# Altium PCB PCB3.PcbDoc (part 3 of 5)
Units mil, origin at the board's own origin, x right, y up, seen from the top; angles counter-clockwise.
Board outline 9836.17 x 5490 mil, 4 copper layers (Top Layer, Int1 (GND), Int2 (PWR), Bottom Layer), stack 53.912 mil thick; 236 components, 108 nets, 2793 pads, 569 vias.
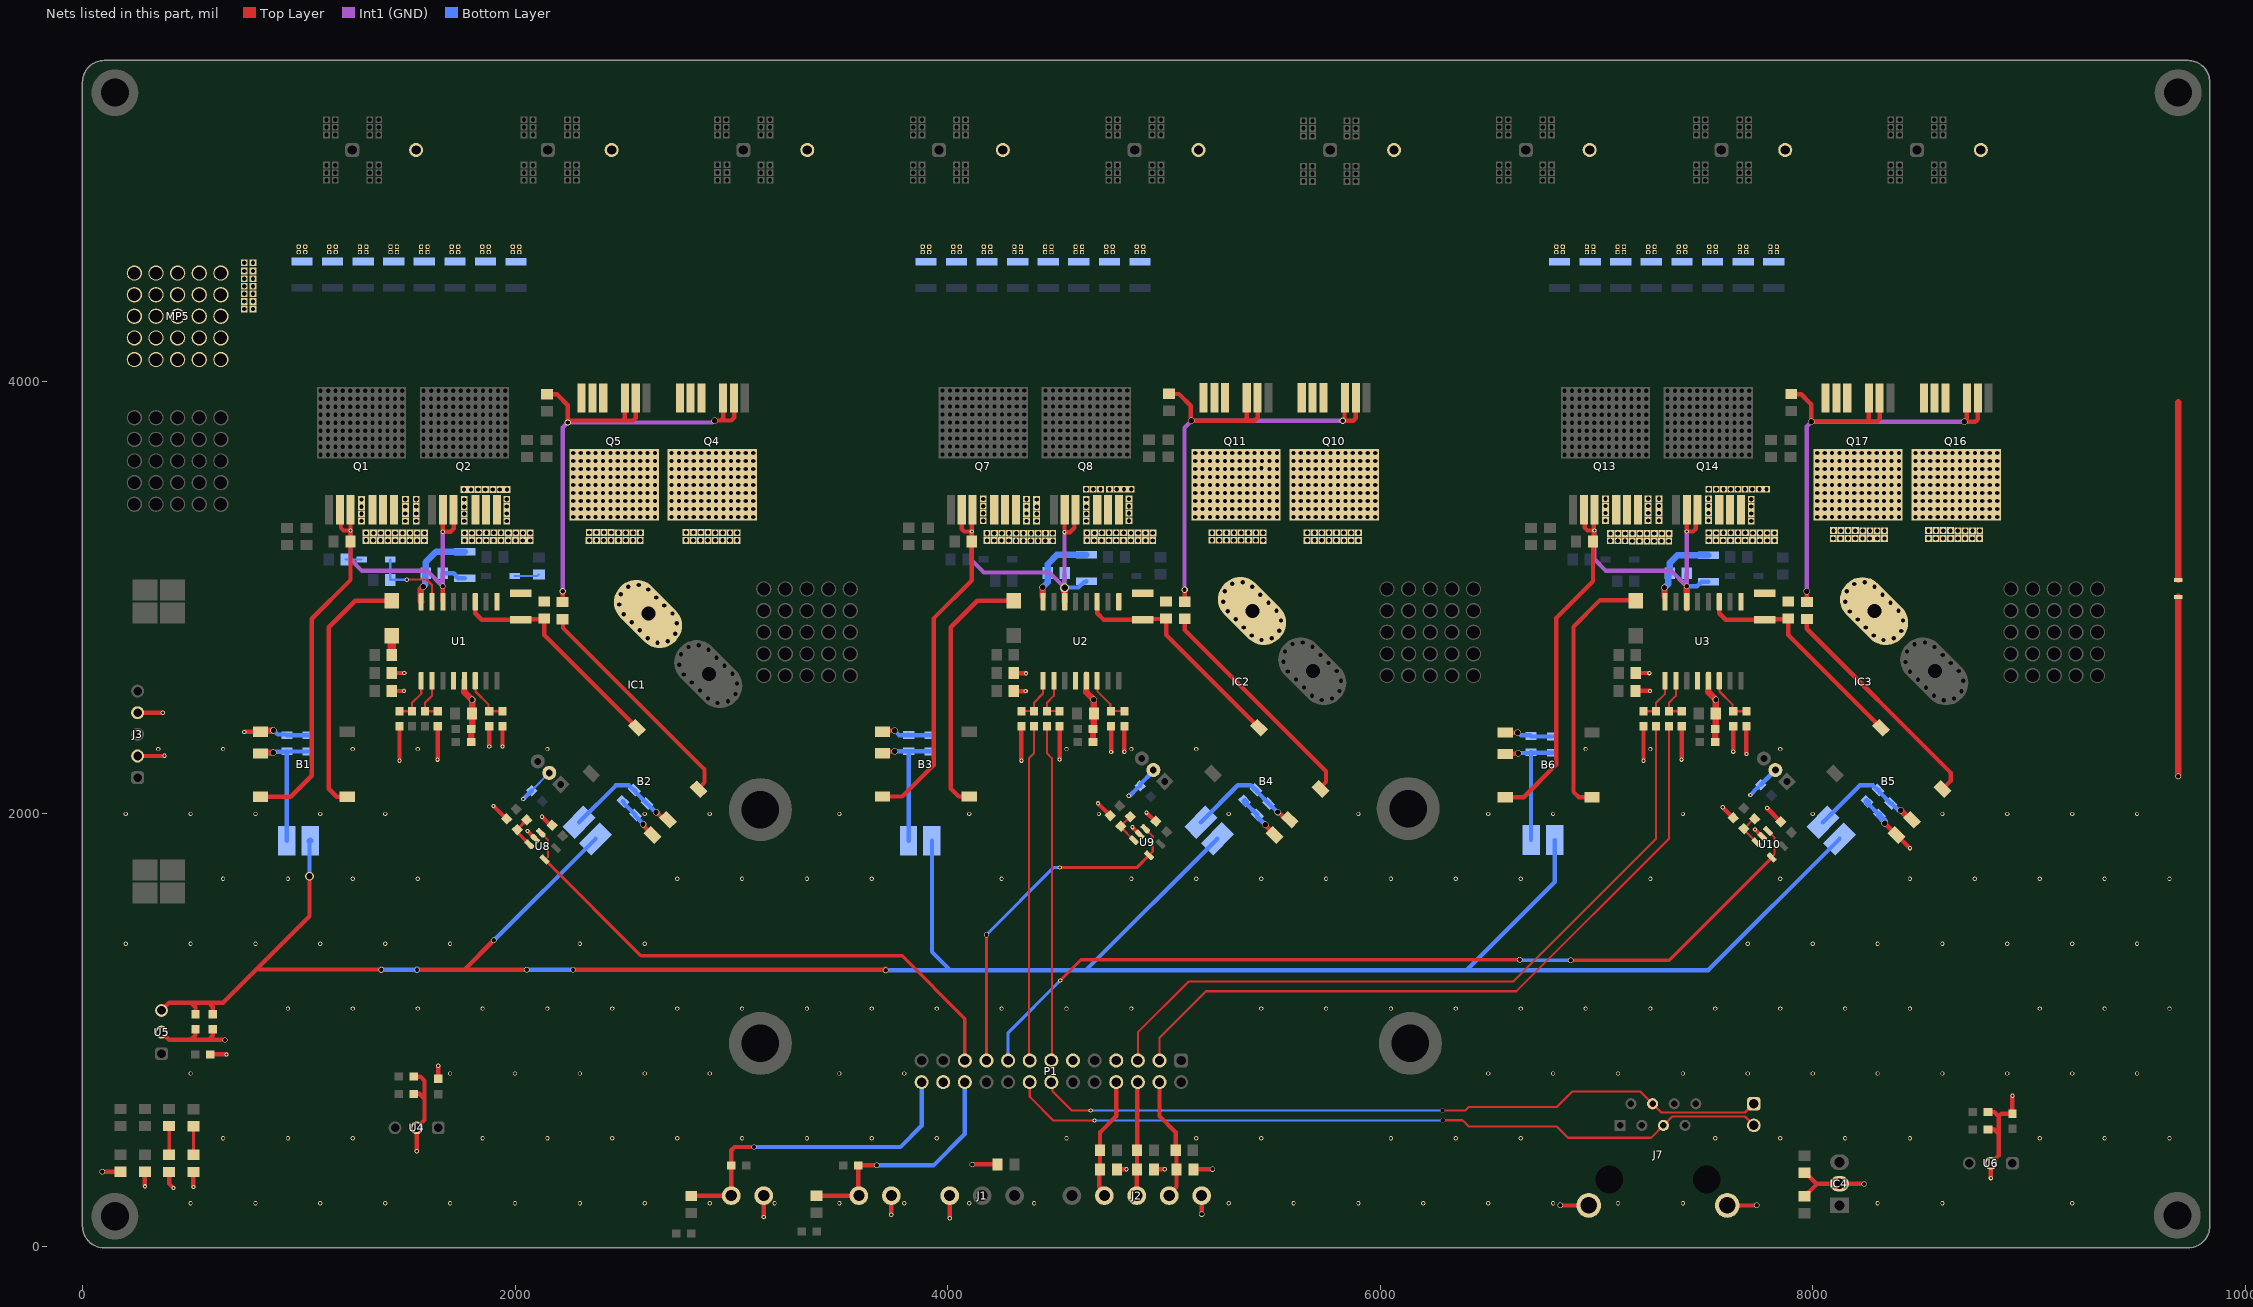
[diagram p5: the nets of this part, all layers, seen from the top]

## Via types
v1: diameter 20, hole 15, Top Layer to Bottom Layer, tented both sides, 212 vias
v2: diameter 19.68, hole 11.81, Top Layer to Bottom Layer, tented both sides, 183 vias
v3: diameter 19.68, hole 10, Top Layer to Bottom Layer, tented both sides, 59 vias
v4: diameter 25, hole 20, Top Layer to Bottom Layer, tented both sides, 48 vias
v5: diameter 23.62, hole 15.75, Top Layer to Bottom Layer, tented both sides, 32 vias
v6: diameter 30, hole 25, Top Layer to Bottom Layer, tented both sides, 24 vias
v7: diameter 30, hole 20, Top Layer to Bottom Layer, tented both sides, 4 vias
v8: diameter 15, hole 10, Top Layer to Bottom Layer, tented both sides, 3 vias
v9: diameter 19.68, hole 19.68, Top Layer to Bottom Layer, tented both sides, 2 vias
v10: diameter 40, hole 28, Top Layer to Bottom Layer, tented both sides, 1 vias
v11: diameter 40, hole 30, Top Layer to Bottom Layer, tented both sides, 1 vias

## Nets (pads, with @x,y where several pads share a name; then routed paths per layer and width w, separated by ;. In a path a pad name is that pad's centre, name@x,y a point inside that pad or via, vN(x,y) a via of type N, cw(c..) or ccw(c..) an arc to the next point about the centre after c; other vN are vias at no path point) (continued)
A_VSS_H: IC1.5 pad.3@1290,3354 pad.3@1290,3388 pad.3@1290,3421 pad.3@1290,3454 pad.3@1310.66,3265 pad.3@1311.43,3299 pad.3@1344.45,3265 pad.3@1345.22,3299 pad.3@1378.24,3265 pad.3@1379,3299 pad.3@1412.03,3264 pad.3@1412.78,3299 pad.3@1445.82,3264 pad.3@1446.57,3299 pad.3@1479.61,3264 pad.3@1480.35,3299 pad.3@1493,3355 pad.3@1493,3389 pad.3@1493,3422 pad.3@1493,3455 pad.3@1513.4,3264 pad.3@1514.13,3299 pad.3@1543,3355 pad.3@1543,3389 pad.3@1543,3422 pad.3@1543,3455 pad.3@1547.18,3264 pad.3@1547.91,3299 pad.3@1580.97,3264 pad.3@1581.7,3299 pad.3@1764,3500 pad.3@1765,3354 pad.3@1765,3388 pad.3@1765,3421 pad.3@1765,3454 pad.3@1765.96,3264 pad.3@1766.65,3299 pad.3@1797,3500 pad.3@1799.75,3264 pad.3@1800.43,3299 pad.3@1830,3500 pad.3@1833.54,3264 pad.3@1834.22,3300 pad.3@1863,3500 pad.3@1867.33,3264 pad.3@1868,3300 pad.3@1897,3500 pad.3@1901.12,3264 pad.3@1901.78,3300 pad.3@1930,3500 pad.3@1934.91,3264 pad.3@1935.57,3300 pad.3@1962,3355 pad.3@1962,3389 pad.3@1962,3422 pad.3@1962,3455 pad.3@1963,3500 pad.3@1968.69,3264 pad.3@1969.35,3299 pad.3@2002.48,3264 pad.3@2003.13,3299 pad.3@2036.26,3264 pad.3@2036.91,3299 pad.3@2070.04,3264 pad.3@2070.7,3299 pad.3@2269.38,3372.99 pad.3@2269.38,3409.99 pad.3@2269.38,3446.99 pad.3@2269.38,3483.99 pad.3@2269.38,3520.99 pad.3@2269.38,3557.99 pad.3@2269.38,3594.99 pad.3@2269.38,3631.99 pad.3@2269.38,3668.99 pad.3@2303.75,3372.99 pad.3@2303.75,3409.99 pad.3@2303.75,3446.99 pad.3@2303.75,3483.99 pad.3@2303.75,3520.99 pad.3@2303.75,3557.99 pad.3@2303.75,3594.99 pad.3@2303.75,3631.99 pad.3@2303.75,3668.99 pad.3@2338.11,3372.99 pad.3@2338.11,3409.99 pad.3@2338.11,3446.99 pad.3@2338.11,3483.99 pad.3@2338.11,3520.99 pad.3@2338.11,3557.99 pad.3@2338.11,3594.99 pad.3@2338.11,3631.99 pad.3@2338.11,3668.99 pad.3@2342.84,3265 pad.3@2343.52,3301 pad.3@2372.47,3372.99 pad.3@2372.47,3409.99 pad.3@2372.47,3446.99 pad.3@2372.47,3483.99 pad.3@2372.47,3520.99 pad.3@2372.47,3557.99 pad.3@2372.47,3594.99 pad.3@2372.47,3631.99 pad.3@2372.47,3668.99 pad.3@2376.63,3265 pad.3@2377.3,3301 pad.3@2406.84,3372.99 pad.3@2406.84,3409.99 pad.3@2406.84,3446.99 pad.3@2406.84,3483.99 pad.3@2406.84,3520.99 pad.3@2406.84,3557.99 pad.3@2406.84,3594.99 pad.3@2406.84,3631.99 pad.3@2406.84,3668.99 pad.3@2410.42,3265 pad.3@2411.09,3301 pad.3@2441.2,3372.99 pad.3@2441.2,3409.99 pad.3@2441.2,3446.99 pad.3@2441.2,3483.99 pad.3@2441.2,3520.99 pad.3@2441.2,3557.99 pad.3@2441.2,3594.99 pad.3@2441.2,3631.99 pad.3@2441.2,3668.99 pad.3@2444.21,3265 pad.3@2444.87,3301 pad.3@2475.56,3372.99 pad.3@2475.56,3409.99 pad.3@2475.56,3446.99 pad.3@2475.56,3483.99 pad.3@2475.56,3520.99 pad.3@2475.56,3557.99 pad.3@2475.56,3594.99 pad.3@2475.56,3631.99 pad.3@2475.56,3668.99 pad.3@2478,3265 pad.3@2478.65,3300 pad.3@2509.93,3372.99 pad.3@2509.93,3409.99 pad.3@2509.93,3446.99 pad.3@2509.93,3483.99 pad.3@2509.93,3520.99 pad.3@2509.93,3557.99 pad.3@2509.93,3594.99 pad.3@2509.93,3631.99 pad.3@2509.93,3668.99 pad.3@2511.78,3265 pad.3@2512.43,3300 pad.3@2544.29,3372.99 pad.3@2544.29,3409.99 pad.3@2544.29,3446.99 pad.3@2544.29,3483.99 pad.3@2544.29,3520.99 pad.3@2544.29,3557.99 pad.3@2544.29,3594.99 pad.3@2544.29,3631.99 pad.3@2544.29,3668.99 pad.3@2545.56,3265 pad.3@2546.22,3300 pad.3@2578.65,3372.99 pad.3@2578.65,3409.99 pad.3@2578.65,3446.99 pad.3@2578.65,3483.99 pad.3@2578.65,3520.99 pad.3@2578.65,3557.99 pad.3@2578.65,3594.99 pad.3@2578.65,3631.99 pad.3@2578.65,3668.99 pad.3@2579.35,3265 pad.3@2580,3300 pad.3@2612.38,3372.99 pad.3@2613.02,3409.99 pad.3@2613.02,3446.99 pad.3@2613.02,3483.99 pad.3@2613.02,3520.99 pad.3@2613.02,3557.99 pad.3@2613.02,3594.99 pad.3@2613.02,3631.99 pad.3@2613.02,3668.99 pad.3@2647.38,3372.99 pad.3@2647.38,3409.99 pad.3@2647.38,3446.99 pad.3@2647.38,3483.99 pad.3@2647.38,3520.99 pad.3@2647.38,3557.99 pad.3@2647.38,3594.99 pad.3@2647.38,3631.99 pad.3@2647.38,3668.99 pad.3@2723.55,3372.99 pad.3@2723.55,3409.99 pad.3@2723.55,3446.99 pad.3@2723.55,3483.99 pad.3@2723.55,3520.99 pad.3@2723.55,3557.99 pad.3@2723.55,3594.99 pad.3@2723.55,3631.99 pad.3@2723.55,3668.99 pad.3@2757.91,3372.99 pad.3@2757.91,3409.99 pad.3@2757.91,3446.99 pad.3@2757.91,3483.99 pad.3@2757.91,3520.99 pad.3@2757.91,3557.99 pad.3@2757.91,3594.99 pad.3@2757.91,3631.99 pad.3@2757.91,3668.99 pad.3@2790.41,3265 pad.3@2791.09,3301 pad.3@2792.27,3372.99 pad.3@2792.27,3409.99 pad.3@2792.27,3446.99 pad.3@2792.27,3483.99 pad.3@2792.27,3520.99 pad.3@2792.27,3557.99 pad.3@2792.27,3594.99 pad.3@2792.27,3631.99 pad.3@2792.27,3668.99 pad.3@2824.2,3265 pad.3@2824.87,3301 pad.3@2826.64,3372.99 pad.3@2826.64,3409.99 pad.3@2826.64,3446.99 pad.3@2826.64,3483.99 pad.3@2826.64,3520.99 pad.3@2826.64,3557.99 pad.3@2826.64,3594.99 pad.3@2826.64,3631.99 pad.3@2826.64,3668.99 pad.3@2857.99,3265 pad.3@2858.65,3301 pad.3@2861,3372.99 pad.3@2861,3409.99 pad.3@2861,3446.99 pad.3@2861,3483.99 pad.3@2861,3520.99 pad.3@2861,3557.99 pad.3@2861,3594.99 pad.3@2861,3631.99 pad.3@2861,3668.99 pad.3@2891.77,3265 pad.3@2892.43,3301 pad.3@2895.37,3372.99 pad.3@2895.37,3409.99 pad.3@2895.37,3446.99 pad.3@2895.37,3483.99 pad.3@2895.37,3520.99 pad.3@2895.37,3557.99 pad.3@2895.37,3594.99 pad.3@2895.37,3631.99 pad.3@2895.37,3668.99 pad.3@2925.56,3265 pad.3@2926.22,3300 pad.3@2929.73,3372.99 pad.3@2929.73,3409.99 pad.3@2929.73,3446.99 pad.3@2929.73,3483.99 pad.3@2929.73,3520.99 pad.3@2929.73,3557.99 pad.3@2929.73,3594.99 pad.3@2929.73,3631.99 pad.3@2929.73,3668.99 pad.3@2959.35,3265 pad.3@2960,3300 pad.3@2964.09,3372.99 pad.3@2964.09,3409.99 pad.3@2964.09,3446.99 pad.3@2964.09,3483.99 pad.3@2964.09,3520.99 pad.3@2964.09,3557.99 pad.3@2964.09,3594.99 pad.3@2964.09,3631.99 pad.3@2964.09,3668.99 pad.3@2993.13,3265 pad.3@2993.78,3300 pad.3@2998.46,3372.99 pad.3@2998.46,3409.99 pad.3@2998.46,3446.99 pad.3@2998.46,3483.99 pad.3@2998.46,3520.99 pad.3@2998.46,3557.99 pad.3@2998.46,3594.99 pad.3@2998.46,3631.99 pad.3@2998.46,3668.99 pad.3@3026.91,3265 pad.3@3027.57,3300 pad.3@3032.82,3372.99 pad.3@3032.82,3409.99 pad.3@3032.82,3446.99 pad.3@3032.82,3483.99 pad.3@3032.82,3520.99 pad.3@3032.82,3557.99 pad.3@3032.82,3594.99 pad.3@3032.82,3631.99 pad.3@3032.82,3668.99 pad.3@3066.55,3372.99 pad.3@3067.18,3409.99 pad.3@3067.18,3446.99 pad.3@3067.18,3483.99 pad.3@3067.18,3520.99 pad.3@3067.18,3557.99 pad.3@3067.18,3594.99 pad.3@3067.18,3631.99 pad.3@3067.18,3668.99 pad.3@3101.55,3372.99 pad.3@3101.55,3409.99 pad.3@3101.55,3446.99 pad.3@3101.55,3483.99 pad.3@3101.55,3520.99 pad.3@3101.55,3557.99 pad.3@3101.55,3594.99 pad.3@3101.55,3631.99 pad.3@3101.55,3668.99 Q1.5 Q1.6 Q1.7 Q2.5 Q2.6 Q2.7 Q4.4 Q5.4
A_VSS_L: C31.2 C32.2 C37.2 C43.2 C44.2 C45.2 C46.2 C47.2 C48.2 C49.2 C50.2 C53.2 C54.2 C55.2 C56.2 C57.2 C58.2 C59.2 C60.2 C63.2 C64.2 C65.2 C66.2 C67.2 C68.2 C69.2 C70.2 C79.2 C80.2 C81.2 C82.2 C83.2 C84.2 MP5.1 NT1.1 pad.2 pad.3@748,4335 pad.3@748,4370 pad.3@748,4405 pad.3@748,4440 pad.3@748,4475 pad.3@748,4510 pad.3@748,4549 pad.3@789,4335 pad.3@789,4370 pad.3@789,4405 pad.3@789,4440 pad.3@789,4475 pad.3@789,4510 pad.3@789,4549 Q4.5 Q4.6 Q4.7 Q5.5 Q5.6 Q5.7 Q10.5 Q10.6 Q10.7 Q11.5 Q11.6 Q11.7 Q16.5 Q16.6 Q16.7 Q17.5 Q17.6 Q17.7 | length 822
  Top Layer w30: NT1.1@9690,3082 9690,3904
B_IN_H: P1.15 R21.1 | length 1561.2
  Top Layer w10: P1.15@4377,854 4377,2257 4400,2280 4400,2405 R21.1@4399.5,2405.5
B_IN_L: P1.13 R27.1 | length 1561.2
  Top Layer w10: R27.1@4460,2406 R27.1@4459.5,2405.5 4459.5,2280.5 4482.5,2257.5 P1.13@4482.5,854.5
B_VSS_H: IC2.5 pad.3@4165,3390 pad.3@4165,3423 pad.3@4165,3456 pad.3@4181.87,3264 pad.3@4182.65,3298 pad.3@4215.66,3264 pad.3@4216.43,3298 pad.3@4249.45,3264 pad.3@4250.22,3298 pad.3@4283.24,3264 pad.3@4284,3298 pad.3@4317.03,3263 pad.3@4317.78,3298 pad.3@4350.82,3263 pad.3@4351.57,3298 pad.3@4365,3355 pad.3@4365,3389 pad.3@4365,3422 pad.3@4365,3455 pad.3@4384.61,3263 pad.3@4385.35,3298 pad.3@4412,3354 pad.3@4412,3388 pad.3@4412,3421 pad.3@4412,3454 pad.3@4418.4,3263 pad.3@4419.13,3298 pad.3@4452.18,3263 pad.3@4452.91,3298 pad.3@4485.97,3263 pad.3@4486.7,3298 pad.3@4641,3354 pad.3@4641,3388 pad.3@4641,3421 pad.3@4641,3454 pad.3@4641,3501 pad.3@4644.52,3264 pad.3@4645.22,3299 pad.3@4674,3501 pad.3@4678.31,3264 pad.3@4679,3299 pad.3@4707,3501 pad.3@4712.1,3264 pad.3@4712.78,3300 pad.3@4745.89,3264 pad.3@4746.57,3300 pad.3@4748.85,3501.5 pad.3@4779.68,3264 pad.3@4780.35,3300 pad.3@4782.85,3501.5 pad.3@4813.47,3264 pad.3@4814.13,3300 pad.3@4815.85,3501.5 pad.3@4838.65,3356 pad.3@4838.65,3390 pad.3@4838.65,3423 pad.3@4838.65,3456 pad.3@4847.26,3264 pad.3@4847.91,3299 pad.3@4848.85,3501.5 pad.3@4881.04,3264 pad.3@4881.7,3299 pad.3@4914.82,3264 pad.3@4915.48,3299 pad.3@4948.61,3264 pad.3@4949.26,3299 pad.3@5144.88,3373.49 pad.3@5144.88,3410.49 pad.3@5144.88,3447.49 pad.3@5144.88,3484.49 pad.3@5144.88,3521.49 pad.3@5144.88,3558.49 pad.3@5144.88,3595.49 pad.3@5144.88,3632.49 pad.3@5144.88,3669.49 pad.3@5179.25,3373.49 pad.3@5179.25,3410.49 pad.3@5179.25,3447.49 pad.3@5179.25,3484.49 pad.3@5179.25,3521.49 pad.3@5179.25,3558.49 pad.3@5179.25,3595.49 pad.3@5179.25,3632.49 pad.3@5179.25,3669.49 pad.3@5213.61,3373.49 pad.3@5213.61,3410.49 pad.3@5213.61,3447.49 pad.3@5213.61,3484.49 pad.3@5213.61,3521.49 pad.3@5213.61,3558.49 pad.3@5213.61,3595.49 pad.3@5213.61,3632.49 pad.3@5213.61,3669.49 pad.3@5222.34,3265.5 pad.3@5222.65,3300 pad.3@5247.97,3373.49 pad.3@5247.97,3410.49 pad.3@5247.97,3447.49 pad.3@5247.97,3484.49 pad.3@5247.97,3521.49 pad.3@5247.97,3558.49 pad.3@5247.97,3595.49 pad.3@5247.97,3632.49 pad.3@5247.97,3669.49 pad.3@5256.13,3265.5 pad.3@5256.43,3300 pad.3@5282.34,3373.49 pad.3@5282.34,3410.49 pad.3@5282.34,3447.49 pad.3@5282.34,3484.49 pad.3@5282.34,3521.49 pad.3@5282.34,3558.49 pad.3@5282.34,3595.49 pad.3@5282.34,3632.49 pad.3@5282.34,3669.49 pad.3@5289.92,3265.5 pad.3@5290.22,3300 pad.3@5316.7,3373.49 pad.3@5316.7,3410.49 pad.3@5316.7,3447.49 pad.3@5316.7,3484.49 pad.3@5316.7,3521.49 pad.3@5316.7,3558.49 pad.3@5316.7,3595.49 pad.3@5316.7,3632.49 pad.3@5316.7,3669.49 pad.3@5323.71,3265.5 pad.3@5324,3300 pad.3@5351.06,3373.49 pad.3@5351.06,3410.49 pad.3@5351.06,3447.49 pad.3@5351.06,3484.49 pad.3@5351.06,3521.49 pad.3@5351.06,3558.49 pad.3@5351.06,3595.49 pad.3@5351.06,3632.49 pad.3@5351.06,3669.49 pad.3@5357.5,3265.5 pad.3@5358,3300 pad.3@5385.43,3373.49 pad.3@5385.43,3410.49 pad.3@5385.43,3447.49 pad.3@5385.43,3484.49 pad.3@5385.43,3521.49 pad.3@5385.43,3558.49 pad.3@5385.43,3595.49 pad.3@5385.43,3632.49 pad.3@5385.43,3669.49 pad.3@5391.28,3265.5 pad.3@5392,3300 pad.3@5419.79,3373.49 pad.3@5419.79,3410.49 pad.3@5419.79,3447.49 pad.3@5419.79,3484.49 pad.3@5419.79,3521.49 pad.3@5419.79,3558.49 pad.3@5419.79,3595.49 pad.3@5419.79,3632.49 pad.3@5419.79,3669.49 pad.3@5425.07,3265.5 pad.3@5426,3300 pad.3@5452,3599 pad.3@5454.15,3373.49 pad.3@5454.15,3410.49 pad.3@5454.15,3447.49 pad.3@5454.15,3484.49 pad.3@5454.15,3521.49 pad.3@5454.15,3558.49 pad.3@5454.15,3632.49 pad.3@5454.15,3669.49 pad.3@5460,3265 pad.3@5460,3300 pad.3@5487.88,3373.49 pad.3@5488.52,3410.49 pad.3@5488.52,3447.49 pad.3@5488.52,3484.49 pad.3@5488.52,3521.49 pad.3@5488.52,3558.49 pad.3@5488.52,3595.49 pad.3@5488.52,3632.49 pad.3@5488.52,3669.49 pad.3@5522.88,3373.49 pad.3@5522.88,3410.49 pad.3@5522.88,3447.49 pad.3@5522.88,3484.49 pad.3@5522.88,3521.49 pad.3@5522.88,3558.49 pad.3@5522.88,3595.49 pad.3@5522.88,3632.49 pad.3@5522.88,3669.49 pad.3@5599.05,3373.49 pad.3@5599.05,3410.49 pad.3@5599.05,3447.49 pad.3@5599.05,3484.49 pad.3@5599.05,3521.49 pad.3@5599.05,3558.49 pad.3@5599.05,3595.49 pad.3@5599.05,3632.49 pad.3@5599.05,3669.49 pad.3@5633.41,3373.49 pad.3@5633.41,3410.49 pad.3@5633.41,3447.49 pad.3@5633.41,3484.49 pad.3@5633.41,3521.49 pad.3@5633.41,3558.49 pad.3@5633.41,3595.49 pad.3@5633.41,3632.49 pad.3@5633.41,3669.49 pad.3@5662.65,3265 pad.3@5662.65,3300 pad.3@5667.77,3373.49 pad.3@5667.77,3410.49 pad.3@5667.77,3447.49 pad.3@5667.77,3484.49 pad.3@5667.77,3521.49 pad.3@5667.77,3558.49 pad.3@5667.77,3595.49 pad.3@5667.77,3632.49 pad.3@5667.77,3669.49 pad.3@5696.43,3300 pad.3@5696.44,3265 pad.3@5702.14,3373.49 pad.3@5702.14,3410.49 pad.3@5702.14,3447.49 pad.3@5702.14,3484.49 pad.3@5702.14,3521.49 pad.3@5702.14,3558.49 pad.3@5702.14,3595.49 pad.3@5702.14,3632.49 pad.3@5702.14,3669.49 pad.3@5730.22,3300 pad.3@5730.23,3265 pad.3@5736.5,3373.49 pad.3@5736.5,3410.49 pad.3@5736.5,3447.49 pad.3@5736.5,3484.49 pad.3@5736.5,3521.49 pad.3@5736.5,3558.49 pad.3@5736.5,3595.49 pad.3@5736.5,3632.49 pad.3@5736.5,3669.49 pad.3@5764,3300 pad.3@5764.02,3265 pad.3@5770.87,3373.49 pad.3@5770.87,3410.49 pad.3@5770.87,3447.49 pad.3@5770.87,3484.49 pad.3@5770.87,3521.49 pad.3@5770.87,3558.49 pad.3@5770.87,3595.49 pad.3@5770.87,3632.49 pad.3@5770.87,3669.49 pad.3@5797.81,3265 pad.3@5798.65,3300 pad.3@5805.23,3373.49 pad.3@5805.23,3410.49 pad.3@5805.23,3447.49 pad.3@5805.23,3484.49 pad.3@5805.23,3521.49 pad.3@5805.23,3558.49 pad.3@5805.23,3595.49 pad.3@5805.23,3632.49 pad.3@5805.23,3669.49 pad.3@5832.43,3300 pad.3@5832.65,3264 pad.3@5839.59,3373.49 pad.3@5839.59,3410.49 pad.3@5839.59,3447.49 pad.3@5839.59,3484.49 pad.3@5839.59,3521.49 pad.3@5839.59,3558.49 pad.3@5839.59,3595.49 pad.3@5839.59,3632.49 pad.3@5839.59,3669.49 pad.3@5866.22,3300 pad.3@5866.43,3264 pad.3@5873.96,3373.49 pad.3@5873.96,3410.49 pad.3@5873.96,3447.49 pad.3@5873.96,3484.49 pad.3@5873.96,3521.49 pad.3@5873.96,3558.49 pad.3@5873.96,3595.49 pad.3@5873.96,3632.49 pad.3@5873.96,3669.49 pad.3@5900,3300 pad.3@5900.22,3264 pad.3@5908.32,3373.49 pad.3@5908.32,3410.49 pad.3@5908.32,3447.49 pad.3@5908.32,3484.49 pad.3@5908.32,3521.49 pad.3@5908.32,3558.49 pad.3@5908.32,3595.49 pad.3@5908.32,3632.49 pad.3@5908.32,3669.49 pad.3@5942.05,3373.49 pad.3@5942.68,3410.49 pad.3@5942.68,3447.49 pad.3@5942.68,3484.49 pad.3@5942.68,3521.49 pad.3@5942.68,3558.49 pad.3@5942.68,3595.49 pad.3@5942.68,3632.49 pad.3@5942.68,3669.49 pad.3@5977.05,3373.49 pad.3@5977.05,3410.49 pad.3@5977.05,3447.49 pad.3@5977.05,3484.49 pad.3@5977.05,3521.49 pad.3@5977.05,3558.49 pad.3@5977.05,3595.49 pad.3@5977.05,3632.49 pad.3@5977.05,3669.49 pad.@4165,3356 Q7.5 Q7.6 Q7.7 Q8.5 Q8.6 Q8.7 Q10.4 Q11.4
C_IN_H: P1.5 R36.1 | length 3416
  Top Layer w10: P1.5@4880,860 4880,990 5115,1225 6615,1225 7275.72,1885.72 R36.1@7275.72,2405
C_IN_L: P1.3 R42.1 | length 3361.4
  Top Layer w10: P1.3@4980,860 4980,965 5195,1180 6630,1180 7335.72,1885.72 R42.1@7335.72,2405
C_VSS_H: IC3.5 pad.3@7042.58,3357 pad.3@7042.58,3391 pad.3@7042.58,3424 pad.3@7042.58,3457 pad.3@7064.66,3263 pad.3@7065.43,3297 pad.3@7098.45,3263 pad.3@7099.22,3297 pad.3@7132.24,3263 pad.3@7133,3297 pad.3@7166.03,3262 pad.3@7166.78,3297 pad.3@7199.82,3262 pad.3@7200.57,3297 pad.3@7233.61,3262 pad.3@7234.35,3297 pad.3@7239.29,3357 pad.3@7239.29,3391 pad.3@7239.29,3424 pad.3@7239.29,3457 pad.3@7267.4,3262 pad.3@7268.13,3297 pad.3@7289.29,3357 pad.3@7289.29,3391 pad.3@7289.29,3424 pad.3@7289.29,3457 pad.3@7301.18,3262 pad.3@7301.91,3297 pad.3@7334.97,3262 pad.3@7335.7,3297 pad.3@7518.2,3357 pad.3@7518.2,3391 pad.3@7518.2,3424 pad.3@7518.2,3457 pad.3@7519.31,3264 pad.3@7520,3299 pad.3@7520,3501 pad.3@7553.1,3264 pad.3@7553.78,3299 pad.3@7554,3501 pad.3@7586.88,3264 pad.3@7587.57,3300 pad.3@7588,3501 pad.3@7620.67,3264 pad.3@7621,3501 pad.3@7621.35,3300 pad.3@7654,3501 pad.3@7654.46,3264 pad.3@7655.13,3300 pad.3@7687,3501 pad.3@7688.25,3264 pad.3@7688.91,3300 pad.3@7716,3355 pad.3@7716,3389 pad.3@7716,3422 pad.3@7716,3455 pad.3@7721,3501 pad.3@7722.04,3264 pad.3@7722.7,3299 pad.3@7754,3501 pad.3@7755.82,3264 pad.3@7756.48,3299 pad.3@7787,3501 pad.3@7789.61,3264 pad.3@7790.26,3299 pad.3@7823.39,3264 pad.3@7824.04,3299 pad.3@8021.11,3372.99 pad.3@8021.11,3409.99 pad.3@8021.11,3446.99 pad.3@8021.11,3483.99 pad.3@8021.11,3520.99 pad.3@8021.11,3557.99 pad.3@8021.11,3594.99 pad.3@8021.11,3631.99 pad.3@8021.11,3668.99 pad.3@8055.47,3372.99 pad.3@8055.47,3409.99 pad.3@8055.47,3446.99 pad.3@8055.47,3483.99 pad.3@8055.47,3520.99 pad.3@8055.47,3557.99 pad.3@8055.47,3594.99 pad.3@8055.47,3631.99 pad.3@8055.47,3668.99 pad.3@8089.83,3372.99 pad.3@8089.83,3409.99 pad.3@8089.83,3446.99 pad.3@8089.83,3483.99 pad.3@8089.83,3520.99 pad.3@8089.83,3557.99 pad.3@8089.83,3594.99 pad.3@8089.83,3631.99 pad.3@8089.83,3668.99 pad.3@8095.54,3274 pad.3@8096.22,3310 pad.3@8124.2,3372.99 pad.3@8124.2,3409.99 pad.3@8124.2,3446.99 pad.3@8124.2,3483.99 pad.3@8124.2,3520.99 pad.3@8124.2,3557.99 pad.3@8124.2,3594.99 pad.3@8124.2,3631.99 pad.3@8124.2,3668.99 pad.3@8129.33,3274 pad.3@8130,3310 pad.3@8158.56,3372.99 pad.3@8158.56,3409.99 pad.3@8158.56,3446.99 pad.3@8158.56,3483.99 pad.3@8158.56,3520.99 pad.3@8158.56,3557.99 pad.3@8158.56,3594.99 pad.3@8158.56,3631.99 pad.3@8158.56,3668.99 pad.3@8163.12,3274 pad.3@8163.78,3310 pad.3@8192.92,3372.99 pad.3@8192.92,3409.99 pad.3@8192.92,3446.99 pad.3@8192.92,3483.99 pad.3@8192.92,3520.99 pad.3@8192.92,3557.99 pad.3@8192.92,3594.99 pad.3@8192.92,3631.99 pad.3@8192.92,3668.99 pad.3@8196.91,3274 pad.3@8197.57,3310 pad.3@8227.29,3372.99 pad.3@8227.29,3409.99 pad.3@8227.29,3446.99 pad.3@8227.29,3483.99 pad.3@8227.29,3520.99 pad.3@8227.29,3557.99 pad.3@8227.29,3594.99 pad.3@8227.29,3631.99 pad.3@8227.29,3668.99 pad.3@8230.69,3274 pad.3@8231.35,3309 pad.3@8261.65,3372.99 pad.3@8261.65,3409.99 pad.3@8261.65,3446.99 pad.3@8261.65,3483.99 pad.3@8261.65,3520.99 pad.3@8261.65,3557.99 pad.3@8261.65,3594.99 pad.3@8261.65,3631.99 pad.3@8261.65,3668.99 pad.3@8264.48,3274 pad.3@8265.13,3309 pad.3@8296.01,3372.99 pad.3@8296.01,3409.99 pad.3@8296.01,3446.99 pad.3@8296.01,3483.99 pad.3@8296.01,3520.99 pad.3@8296.01,3557.99 pad.3@8296.01,3594.99 pad.3@8296.01,3631.99 pad.3@8296.01,3668.99 pad.3@8298.26,3274 pad.3@8298.91,3309 pad.3@8330.38,3372.99 pad.3@8330.38,3409.99 pad.3@8330.38,3446.99 pad.3@8330.38,3483.99 pad.3@8330.38,3520.99 pad.3@8330.38,3557.99 pad.3@8330.38,3594.99 pad.3@8330.38,3631.99 pad.3@8330.38,3668.99 pad.3@8332.04,3274 pad.3@8332.7,3309 pad.3@8364.11,3372.99 pad.3@8364.74,3409.99 pad.3@8364.74,3446.99 pad.3@8364.74,3483.99 pad.3@8364.74,3520.99 pad.3@8364.74,3557.99 pad.3@8364.74,3594.99 pad.3@8364.74,3631.99 pad.3@8364.74,3668.99 pad.3@8399.11,3372.99 pad.3@8399.11,3409.99 pad.3@8399.11,3446.99 pad.3@8399.11,3483.99 pad.3@8399.11,3520.99 pad.3@8399.11,3557.99 pad.3@8399.11,3594.99 pad.3@8399.11,3631.99 pad.3@8399.11,3668.99 pad.3@8475.27,3372.99 pad.3@8475.27,3409.99 pad.3@8475.27,3446.99 pad.3@8475.27,3483.99 pad.3@8475.27,3520.99 pad.3@8475.27,3557.99 pad.3@8475.27,3594.99 pad.3@8475.27,3631.99 pad.3@8475.27,3668.99 pad.3@8509.63,3372.99 pad.3@8509.63,3409.99 pad.3@8509.63,3446.99 pad.3@8509.63,3483.99 pad.3@8509.63,3520.99 pad.3@8509.63,3557.99 pad.3@8509.63,3594.99 pad.3@8509.63,3631.99 pad.3@8509.63,3668.99 pad.3@8535.54,3274 pad.3@8536.22,3310 pad.3@8544,3372.99 pad.3@8544,3409.99 pad.3@8544,3446.99 pad.3@8544,3483.99 pad.3@8544,3520.99 pad.3@8544,3557.99 pad.3@8544,3594.99 pad.3@8544,3631.99 pad.3@8544,3668.99 pad.3@8569.33,3274 pad.3@8570,3310 pad.3@8578.36,3372.99 pad.3@8578.36,3409.99 pad.3@8578.36,3446.99 pad.3@8578.36,3483.99 pad.3@8578.36,3520.99 pad.3@8578.36,3557.99 pad.3@8578.36,3594.99 pad.3@8578.36,3631.99 pad.3@8578.36,3668.99 pad.3@8603.12,3274 pad.3@8603.78,3310 pad.3@8612.73,3372.99 pad.3@8612.73,3409.99 pad.3@8612.73,3446.99 pad.3@8612.73,3483.99 pad.3@8612.73,3520.99 pad.3@8612.73,3557.99 pad.3@8612.73,3594.99 pad.3@8612.73,3631.99 pad.3@8612.73,3668.99 pad.3@8636.91,3274 pad.3@8637.57,3310 pad.3@8647.09,3372.99 pad.3@8647.09,3409.99 pad.3@8647.09,3446.99 pad.3@8647.09,3483.99 pad.3@8647.09,3520.99 pad.3@8647.09,3557.99 pad.3@8647.09,3594.99 pad.3@8647.09,3631.99 pad.3@8647.09,3668.99 pad.3@8670.69,3274 pad.3@8671.35,3309 pad.3@8681.45,3372.99 pad.3@8681.45,3409.99 pad.3@8681.45,3446.99 pad.3@8681.45,3483.99 pad.3@8681.45,3520.99 pad.3@8681.45,3557.99 pad.3@8681.45,3594.99 pad.3@8681.45,3631.99 pad.3@8681.45,3668.99 pad.3@8704.48,3274 pad.3@8705.13,3309 pad.3@8715.82,3372.99 pad.3@8715.82,3409.99 pad.3@8715.82,3446.99 pad.3@8715.82,3483.99 pad.3@8715.82,3520.99 pad.3@8715.82,3557.99 pad.3@8715.82,3594.99 pad.3@8715.82,3631.99 pad.3@8715.82,3668.99 pad.3@8738.26,3274 pad.3@8738.91,3309 pad.3@8750.18,3372.99 pad.3@8750.18,3409.99 pad.3@8750.18,3446.99 pad.3@8750.18,3483.99 pad.3@8750.18,3520.99 pad.3@8750.18,3557.99 pad.3@8750.18,3594.99 pad.3@8750.18,3631.99 pad.3@8750.18,3668.99 pad.3@8772.04,3274 pad.3@8772.7,3309 pad.3@8784.54,3372.99 pad.3@8784.54,3409.99 pad.3@8784.54,3446.99 pad.3@8784.54,3483.99 pad.3@8784.54,3520.99 pad.3@8784.54,3557.99 pad.3@8784.54,3594.99 pad.3@8784.54,3631.99 pad.3@8784.54,3668.99 pad.3@8818.27,3372.99 pad.3@8818.91,3409.99 pad.3@8818.91,3446.99 pad.3@8818.91,3483.99 pad.3@8818.91,3520.99 pad.3@8818.91,3557.99 pad.3@8818.91,3594.99 pad.3@8818.91,3631.99 pad.3@8818.91,3668.99 pad.3@8853.27,3372.99 pad.3@8853.27,3409.99 pad.3@8853.27,3446.99 pad.3@8853.27,3483.99 pad.3@8853.27,3520.99 pad.3@8853.27,3557.99 pad.3@8853.27,3594.99 pad.3@8853.27,3631.99 pad.3@8853.27,3668.99 Q13.5 Q13.6 Q13.7 Q14.5 Q14.6 Q14.7 Q16.4 Q17.4